# Altium PCB BMS.PcbDoc (part 2 of 2)
Units mil, origin at the board's own origin, x right, y up, seen from the top; angles counter-clockwise.
Board outline 3724.71 x 1020 mil, 4 copper layers (Component Side, Ground Plane, Power Plane, Solder Side), stack 60.8 mil thick; 248 components, 158 nets, 745 pads, 646 vias.
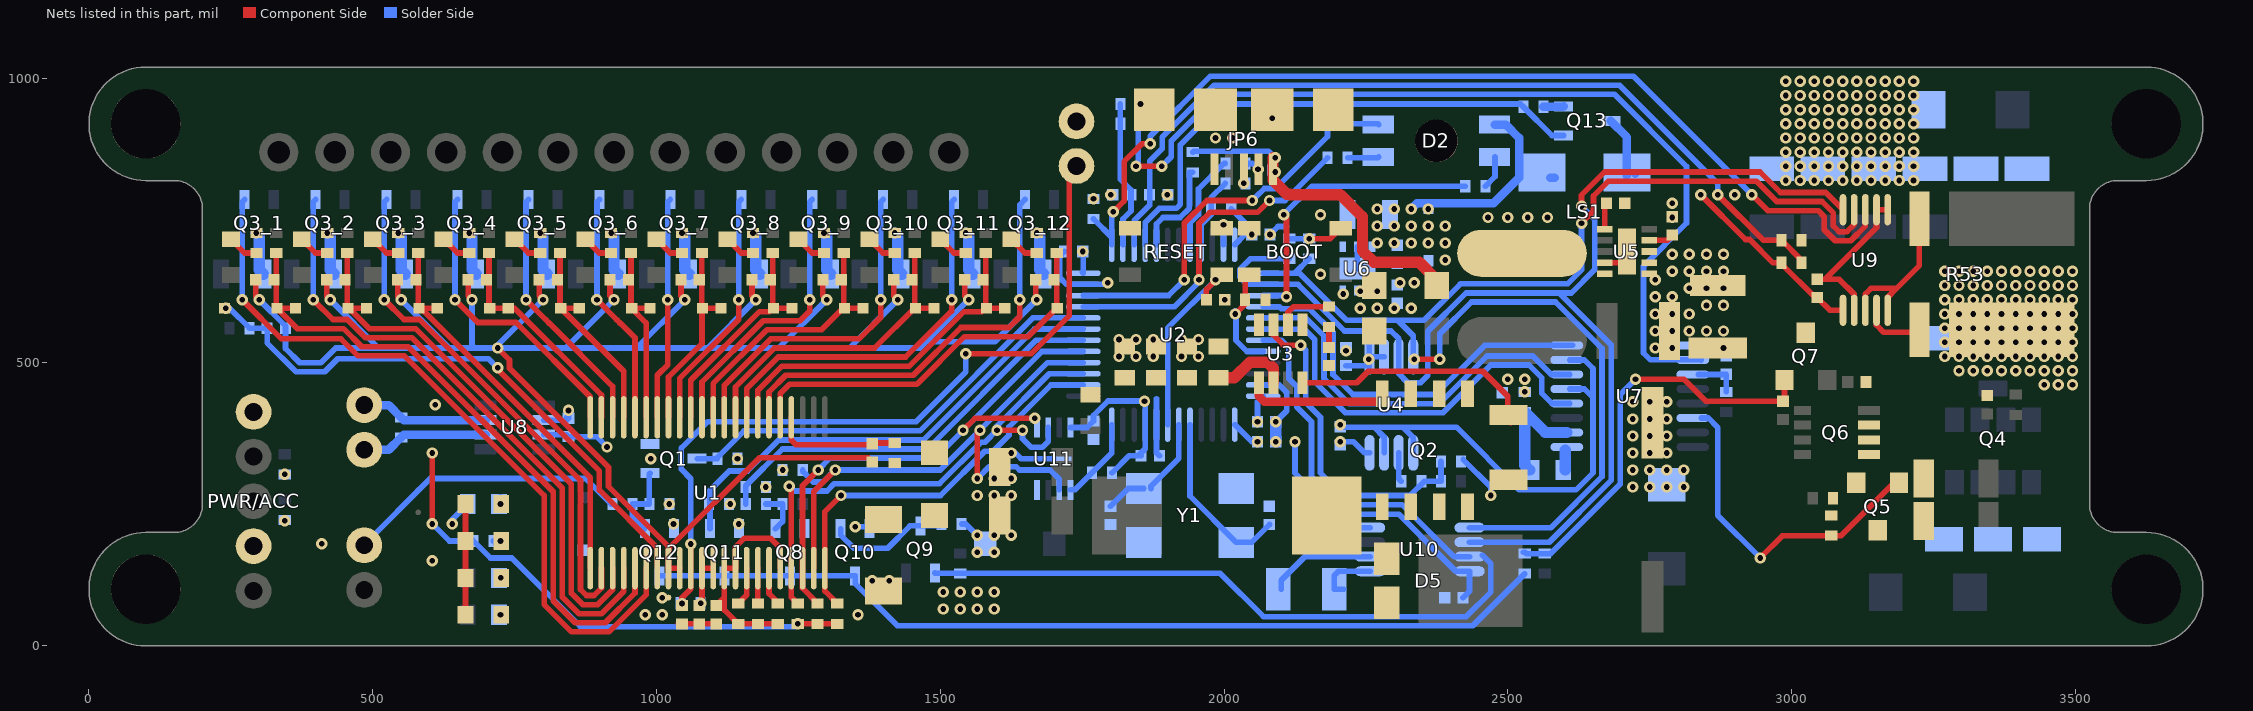
[diagram p4: the nets of this part, all layers, seen from the top]

## Via types
v1: diameter 20, hole 10, Component Side to Solder Side, 645 vias
v2: diameter 20, hole 10, Component Side to Solder Side, tented top, 1 vias

## Nets (pads, with @x,y where several pads share a name; then routed paths per layer and width w, separated by ;. In a path a pad name is that pad's centre, name@x,y a point inside that pad or via, vN(x,y) a via of type N, cw(c..) or ccw(c..) an arc to the next point about the centre after c; other vN are vias at no path point) (continued)
GND: *.1 C1.1 C3.1 C4.1 C6.1 C7.1 C8.1 C9.1 C10.1 C11.1 C12.1 C13.2 C14.1 C15.1 C16.1 C17.1 C18.1 C19.1 C20.1 C21.1 C22.2 C23.1 C24.1 C25.1 C26.1 C27.1 C28.1 C29.1 C31.1 C32.1 C33.1 C34.1 C35.2 C36.1 C40.1 C41.1 C42.2 D1.2 D2.0 D3.2 D4.C D6.2 D7.C D12.2 D13.C D14.2 D15.2 D16.2 D18.2 D19.C F1.2 F2.2 F3.2 F4.2 F5.2 F6.2 JP2.2 JP6.GND JP6.MT1 JP6.MT2 JP6.P$1 JP6.P$2 pad.0@100,100 pad.0@100,920 PWR/ACC.1 Q1.2 Q8.2 Q10.2 Q11.2 Q12.2 Q13.2 R19.2 R23.1 R24.1 R30.1 R31.1 R40.1 R44.1 R45.1 R47.1 R59.1 RESET.3 RESET.4 U2.8 U2.23 U2.35 U2.47 U3.1 U3.4 U4.8 U5.1 U5.9 U5.11 U6.2 U6.6 U6.7 U7.9 U8.2 U9.1 U9.2 U9.7 U10.4 U11.4 U11.9 Y1.2 Y1.2_1 | length 1563.4
  Component Side w10: D4.C@663.5,55 D19.C@663.5,120 D13.C@663.5,185 D7.C@663.5,250 ; C1.1@1038.91,38.86 C1.1@1045,38.86 C4.1@1075,38.86 C3.1@1105,38.86 ; v1@2215,516.14 2218.86,520 v1(2215,520) ; U5.9@2671.02,675.31 2705.31,675.31 2710,680 U5.11@2710,695 ; C33.1@3045,646.14 3059.01,646.14 ; U9.7@3110.32,591.42 3110.32,619.69 3083.86,646.14 3059.01,646.14 ; U9.1@3169.37,768.58 U9.2@3149.69,768.58 3149.69,736.82 3059.01,646.14
  Solder Side w10: U8.2@801.18,397.8 841.65,397.8 C32.1@845,401.14 ; C32.1@841.65,402.8 C32.1@845,406.14 ; v1(1350,210) 1372.13,210 Q10.2@1375.59,206.54 ; R44.1@1537.72,215 1545,215 v1(1565,195) ; v1(1625,340) 1632.33,340 1642.33,330 U11.9@1700,330 ; C10.1@1718.86,695 1710.5,686.64 1710.5,648.76 1722.21,637.05 1797.05,637.05 1797.05,637.95 v1(1795,640) ; 1880.95,435.31 1880.95,433.75 1881,433.7 1881,390.05 U2.8@1880.95,390 1880.95,340.2 C11.1@1886.14,335 ; U2.35@1999.06,706.93 v1(1999.06,742.42) v1@1999.06,742.32 ; v1(2001.14,610) v1@2006,614.86 ; v1(2081.14,725) 2095.14,739 2110,739 ; v1(2091.14,395) 2110.45,414.31 2110.45,446.79 U2.47@2097.36,459.88 ; v1(2205,360) 2227.74,360 2247.39,340.35 U4.8@2256.61,340.35 ; C34.1@2210,211.14 2212.76,208.39 U10.4@2257.4,208.39 ; U6.7@2235,665 U6.2@2235,703.39 ; R30.1@2421.36,328.64 2470,280 v1(2470,265) ; U2.47@2097.36,459.88 U2.47@2068.94,459.88 U2.47@2097.36,459.88
  Solder Side w15: R59.1@2562.72,950 2597.87,950 Q13.2@2598.46,950.59
  Solder Side w20: v1(2091.14,360) v1(2091.14,395)
  other v1: 980,55 1010,55 1355,55 1505,65 1535,65 1565,65 1595,65 1010,85 1505,95 1535,95 1565,95 1595,95 605,150 1565,165 1595,165 410,180 1595,195 1625,195 1030,215 1145,215 1022.72,250 1129.68,250 1565,265 1595,265 1625,265 1192.72,280 2720,280 2750,280 2780,280 2810,280 1595,295 1625,295 2720,310 2750,310 2780,310 2810,310 990,330 2720,340 2750,340 2780,340 2720,370 2750,370 2780,370 2720,400 2750,400 2780,400 845,415 610,425 2720,430 2750,430 2780,430 2500,470 1815,510 1845,510 1875,510 1925,510 1955,510 2760,525 2790,525 2880,524.88 1815,540 1845,540 1875,540 1925,540 1955,540 2760,555 2790,555 2820,555 2850,555 2880,555 2760,585 2790,585 2820,585 2760,615 2790,615 2210,620 2310,640 2335,640 2760,645 2170,655 2390,680 2390,710 2390,740 2465,755 2500,755 2535,755 2570,755 2790,755 2170,760 2790,780 1800.31,795 1900,795 2900,795 2990,820 3015,820 3040,820 3065,820 3090,820 3115,820 3140,820 3165,820 3190,820 3215,820 2990,845 3015,845 3040,845 3065,845 3090,845 3115,845 3140,845 3165,845 3190,845 3215,845 2990,870 3015,870 3040,870 3065,870 3090,870 3115,870 3140,870 3165,870 3190,870 3215,870 1985,895 2015,895 2990,895 3015,895 3040,895 3065,895 3090,895 3115,895 3140,895 3165,895 3190,895 3215,895 2990,920 3015,920 3040,920 3065,920 3090,920 3115,920 3140,920 3165,920 3190,920 3215,920 2085,930 2990,945 3015,945 3040,945 3065,945 3090,945 3115,945 3140,945 3165,945 3190,945 3215,945 1852.72,955 2990,970 3015,970 3040,970 3065,970 3090,970 3115,970 3140,970 3165,970 3190,970 3215,970 2990,995 3015,995 3040,995 3065,995 3090,995 3115,995 3140,995 3165,995 3190,995 3215,995
I2C.SCL: R16.1 U2.38 U4.3 U9.5 U10.6 | length 2284.5
  Component Side w10: v1(2630,775) 2630,794.4 2670.6,835 2944.44,835 2980.44,799 3060.21,799 U9.5@3090.63,768.58
  Solder Side w10: R16.1@2115,682.28 2046.38,682.28 2027.43,663.33 2027.43,650.14 2040.52,637.05 2130.33,637.05 2212.37,555 2294.25,555 2307.8,541.46 2307.8,479.76 2323.8,463.76 2346.33,463.76 2359,476.43 2359,554.43 2426.57,622 2590.75,622 ; U10.6@2432.6,182.8 2573.05,182.8 2682,291.75 2682,530.75 2590.75,622 ; v1(2630,775) 2653.31,751.69 2653.31,663.31 2612,622 2590.75,622
I2C.SDA: R15.1 U2.37 U4.4 U9.4 U10.5 | length 2363.3
  Component Side w10: v1(2335,505) v1(2380,505) ; v1(2630,745) 2651,766 2651,792.78 2677.22,819 2937.82,819 2973.82,783 3053.59,783 3073.72,762.86 3073.72,739.93 3083.63,730.02 3097.63,730.02 3110.32,742.71 U9.4@3110.32,768.58
  Solder Side w10: U2.37@2068.94,656.73 2125.59,656.73 ; R15.1@2150,682.28 2150,682.04 2125.59,657.64 2125.59,656.73 ; U4.4@2333.39,509.65 2333.39,546.61 2306.18,573.82 ; v1(2380,505) 2380,550 2436,606 2584.12,606 2666,524.12 2666,298.37 2576.01,208.39 U10.5@2432.6,208.39 ; v1(2630,745) 2630,662.63 2605.37,638 2416.55,638 2352.37,573.82 2306.18,573.82 ; 2125.59,656.73 2133.27,656.73 2216,574 2226.51,574 2226.69,573.82 2306.18,573.82
LED_B: R21.1 U2.39 | length 535.1
  Component Side w10: v1(2105,760) 2110,755 v1(2110,615)
  Solder Side w10: U2.39@2068.94,617.36 2112.64,617.36 2110.28,615 v1(2110,615) ; v1(2105,760) 2155,810 R21.1@2425,810
LED_G: R20.1 U2.21 | length 599.4
  Component Side w10: v1(1956,645) 1956,744.67 1975.33,764 2059,764 v1(2080,785)
  Solder Side w10: U2.21@1752.31,597.68 1912.68,597.68 1956,641 v1(1956,645) ; v1(2080,785) 2107.28,785 R20.1@2182.28,860
LED_R: R26.1 U2.22 | length 618.4
  Component Side w10: v1(1930,645) 1930,745 1970,785 v1(2050,785)
  Solder Side w10: U2.22@1752.01,617.36 1902.36,617.36 v1(1930,645) ; v1@2056.35,791.35 2071,806 2090.7,806 2182.28,897.59 R26.1@2182.28,920
NetBOOT_2: BOOT.2 R19.1 U2.44 | length 187.1
  Component Side w10: v1(2020,585) 2037.28,602.28 R19.1@2037.28,610 2037.28,646.65 BOOT.2@2044.29,653.66
  Solder Side w10: v1@2020,590.43 v1(2020,585) 2021,584 2021,538.45 2040.52,518.94 U2.44@2068.94,518.94
NetC1_2: C1.2 JP2.1 R4.1 U1.32 | length 1357.6
  Component Side w10: v1(1045,74.68) 1045,84.85 1060.47,100.31 v1(1060.47,179.51) v1@1060.96,180 ; C1.2@1050.47,73.6 C1.2@1050.47,75 ; v1(1545,515) 1660.52,515 1727.1,581.59 1727.1,832.73 JP2.1@1740,845.63
  Solder Side w10: v1(1060.47,179.51) 1060.47,294.53 1043.8,311.2 1043.8,348.8 1090,395 1457.42,395 1545,482.58 v1(1545,515)
NetC2_2: C2.2 R5.1 U1.4 | length 228.2
  Component Side w10: U1.4@1237.64,402.87 1237.64,362.36 1245.53,354.47 1380,354.47 1380,355.75 1381.97,357.72 R5.1@1420,357.72
NetC3_2: C3.2 R6.2 R7.2 R9.2 U1.35 U1.36 U1.40 | length 393
  Component Side w10: C3.2@1111.73,71.14 C3.2@1105,71.14 1119.53,85.67 ; R7.2@1140.99,39.01 R6.2@1213.88,39.01 ; R7.2@1143.86,39.01 1119.53,63.34 1119.53,85.67 ; U1.40@1217.95,137.13 1217.95,172.44 1200.39,190 1155,190 1139.21,174.21 U1.36@1139.21,137.13 U1.35@1119.53,137.13 1119.53,85.67
NetC4_2: C4.2 R4.2 U1.33 U1.34 | length 91.6
  Component Side w10: C4.2@1073.6,71.72 C4.2@1079.84,77.97 ; v1(1077.72,75) 1080.16,77.44 U1.33@1080.16,137.13 U1.34@1099.84,137.13
NetC5_2: C5.2 D8_1.2 R10.1 U1.29 | length 1026.2
  Component Side w10: v1(720,490) 720,487.63 899.31,308.32 899.31,274.55 1001.42,172.44 U1.29@1001.42,137.13
  Solder Side w10: v1(241.1,595) 247.72,595 R10.1@282.72,560 C5.2@313.86,560 313.86,533.82 364.67,483 415.37,483 438.37,506 704,506 v1(720,490)
NetC7_2: C7.2 U2.5 Y1.1 | length 312.7
  Solder Side w10: U2.5@1940,390 1940,264 Y1.1@2021.5,182.5 2048.64,182.5 C7.2@2080,213.86
NetC8_2: C8.2 U2.6 Y1.3 | length 204.3
  Solder Side w10: C8.2@1800,246.14 1831.36,277.5 Y1.3@1858.5,277.5 ; Y1.3@1871.36,277.5 1871.36,281.36 1920.32,330.32 U2.6@1920.32,390
NetC13_1: C13.1 RESET.1 U2.7 | length 331.6
  Component Side w10: C13.1@1968.86,610 1968.86,628.16 1985,644.3 v1(1985,645)
  Solder Side w10: U2.7@1900.63,390 1900.63,559.93 1985,644.3 v1(1985,645)
NetC14_2: C14.2 R22.2 R23.2 U2.26 | length 261.8
  Solder Side w10: R23.2@1817.28,955 R22.2@1817.28,920 1817.28,822.21 1836.14,803.35 C14.2@1836.14,795 1836.14,766.44 1821.89,752.19 U2.26@1821.89,706.93
NetC15_2: C15.2 R24.2 R25.1 U2.27 | length 1518.7
  Component Side w10: v1(2870,795) 2950,715 R24.2@2982.28,715 3017.72,679.57 R25.1@3017.72,675
  Solder Side w10: U2.27@1841.58,706.93 1841.58,749.25 1869,776.67 1869,854.3 1891,876.3 1891,896.5 1982.5,988 2697,988 2870,815 v1(2870,795)
NetC16_2: C16.2 C17.2 C18.2 C19.2 R29.1 U3.6 | length 142
  Component Side w20: C16.2@1987.56,470 C16.2@1990,472.44 2018.07,472.44 2045.63,500 2076.6,500 2087.2,489.4 U3.6@2087.2,463.82
NetC23_1_2: C23_1.2 D8_1.1 D8_2.2 R34_1.1 U1.27 | length 1171.6
  Component Side w10: D8_1.1@328.9,595 330,596.1 R34_1.1@330,692.28 ; D8_1.1@329.39,595 D8_1.1@330.65,595 ; D8_1.1@330.02,595.63 D8_1.1@330.65,595 ; D8_2.2@363.74,595 D8_1.1@331.26,595 ; U1.27@962.05,137.13 962.05,92.99 909.78,40.72 856.83,40.72 817.93,79.62 817.93,271.56 562.35,527.14 480.52,527.14 448.52,559.14 367.12,559.14 D8_1.1@331.26,595 ; D8_1.1@330.65,595 D8_1.1@331.26,595
NetC23_2: C23.2 R28.2 | length 36.1
  Component Side w10: C23.2@2185,526.14 R28.2@2185,562.28
NetC23_2_2: C23_2.2 D8_2.1 D8_3.2 R34_2.1 U1.25 | length 978.7
  Component Side w10: D8_2.1@453.9,595 455,596.1 R34_2.1@455,692.28 ; D8_2.1@454.39,595 D8_2.1@457.91,595 ; D8_2.1@456.26,595 D8_2.1@457.91,595 ; D8_3.2@491.1,595 489.22,595 D8_2.1@457.91,595 ; U1.25@922.68,137.13 922.68,98.87 896.53,72.72 870.09,72.72 849.93,92.88 849.93,284.81 575.6,559.14 493.77,559.14 D8_2.1@457.91,595
NetC23_3_2: C23_3.2 D8_3.1 D8_4.2 R34_3.1 U1.23 | length 720.7
  Component Side w10: D8_3.1@578.9,595 580,596.1 580,640 575,645 580,650 R34_3.1@580,692.28 ; D8_3.1@579.39,595 D8_3.1@580.02,595 ; D8_3.1@580.02,595.63 D8_3.1@580.02,595 ; D8_4.2@616.1,595 D8_4.2@613.74,595 D8_3.1@585,595 ; U1.23@883.31,137.13 883.31,296.69 D8_3.1@585,595 ; D8_3.1@580.02,595 D8_3.1@581.26,595 D8_3.1@585,595
NetC23_4_2: C23_4.2 D8_4.1 D8_5.2 R34_4.1 U1.21 | length 403.9
  Component Side w10: D8_4.1@703.9,595 705,596.1 705,640 700,645 705,650 R34_4.1@705,692.28 ; D8_4.1@704.39,595 D8_4.1@705.65,595 ; D8_4.1@705.02,595.63 D8_4.1@705.65,595 ; U1.21@902.99,402.87 902.99,442.01 750,595 D8_5.2@738.74,595 D8_4.1@706.26,595 D8_4.1@705.65,595
NetC23_5_2: C23_5.2 D8_5.1 D8_6.2 R34_5.1 U1.19 | length 373.5
  Component Side w10: D8_5.1@828.9,595 830,596.1 R34_5.1@830,692.28 ; D8_5.1@829.39,595 D8_5.1@830.02,595 ; D8_5.1@830.02,595.94 D8_5.1@830.02,595 ; D8_6.2@866.1,595 D8_5.1@831.26,595 ; U1.19@942.36,402.87 942.36,483.9 D8_5.1@831.26,595 ; D8_5.1@830.02,595 D8_5.1@831.26,595
NetC23_6_2: C23_6.2 D8_6.1 D8_7.2 R34_6.1 U1.17 | length 345.3
  Component Side w10: D8_6.1@953.9,595 955,596.1 R34_6.1@955,692.28 ; D8_6.1@954.39,595 D8_6.1@955.02,595 ; D8_6.1@956.26,595 D8_7.2@988.74,595 ; U1.17@981.73,402.87 981.73,568.92 D8_6.1@955.65,595 ; D8_7.2@981.73,595 D8_7.2@991.1,595 ; D8_6.1@955.02,595 955.02,595.63 D8_6.1@955.65,595 ; D8_6.1@955.02,595 D8_6.1@955.65,595
NetC23_7_2: C23_7.2 D8_7.1 D8_8.2 R34_7.1 U1.15 | length 356.1
  Component Side w10: U1.15@1021.1,402.87 1021.1,473.98 1080.02,532.91 D8_7.1@1080.02,595 ; D8_7.1@1078.9,595 1080,596.1 1080,640 1075,645 1080,650 R34_7.1@1080,692.28 ; D8_7.1@1079.39,595 D8_7.1@1080.02,595 ; D8_7.1@1080.02,595.94 D8_7.1@1080.02,595 ; D8_8.2@1116.1,595 D8_8.2@1113.74,595 D8_7.1@1081.26,595 D8_7.1@1080.02,595
NetC23_8_2: C23_8.2 D8_8.1 D8_9.2 R34_8.1 U1.13 | length 401.2
  Component Side w10: U1.13@1060.47,402.87 1060.47,468.1 1181.37,589 1198.39,589 D8_8.1@1205.02,595.63 ; D8_8.1@1203.9,595 1205,596.1 1205,640 1200,645 1205,650 R34_8.1@1205,692.28 ; D8_8.1@1204.39,595 D8_8.1@1206.26,595 D8_9.2@1238.74,595 D8_9.2@1241.1,595
NetC23_9_2: C23_9.2 D8_9.1 D8_10.2 R34_9.1 U1.11 | length 482.5
  Component Side w10: U1.11@1099.84,402.87 1099.84,462.21 1194.63,557 1290.9,557 D8_9.1@1328.9,595 ; R34_9.1@1330,692.28 1330,650 1325,645 1330,640 1330,596.1 D8_9.1@1328.9,595 ; D8_10.2@1366.1,595 D8_10.2@1363.74,595 D8_9.1@1331.26,595 D8_9.1@1328.9,595
NetC23_10_2: C23_10.2 D8_10.1 D8_11.2 R34_10.1 U1.9 | length 561.4
  Component Side w10: U1.9@1139.21,402.87 1139.21,456.33 1207.88,525 1384.39,525 D8_10.1@1455.02,595.63 ; D8_10.1@1453.9,595 1455,596.1 R34_10.1@1455,692.28 ; D8_10.1@1454.39,595 D8_11.2@1491.1,595
NetC23_11_2: C23_11.2 D8_11.1 D8_12.2 R34_11.1 U1.7 | length 643.6
  Component Side w10: U1.7@1178.58,402.87 1178.58,450.45 1221.14,493 1445.63,493 1541.63,589 1572.9,589 D8_11.1@1578.9,595 ; D8_11.1@1580.02,595.63 D8_11.1@1579.39,595 ; R34_11.1@1580,692.28 1580,596.1 D8_11.1@1578.9,595 ; D8_12.2@1616.1,595 D8_11.1@1579.39,595 ; D8_11.1@1578.9,595 D8_11.1@1579.39,595
NetC23_12_2: C23_12.2 D8_12.1 R34_12.1 U1.5 | length 700.5
  Component Side w10: U1.5@1217.95,402.87 1217.95,444.56 1234.39,461 1458.88,461 1542.88,545 1655,545 1705.02,595.02 D8_12.1@1705.02,595.63 ; C23_12.2@1700.39,645 1705,649.61 C23_12.2@1705,650 ; D8_12.1@1703.9,595 1705,596.1 1705,640 1700,645 C23_12.2@1705,650 ; R34_12.1@1705,692.28 C23_12.2@1705,650
NetC25_2: C25.2 U5.6 | length 46.8
  Component Side w10: U5.6@2671.02,734.37 2671.02,777.17 C25.2@2673.86,780
NetC26_2: C26.2 U5.4 | length 44.8
  Component Side w10: U5.4@2748.98,714.69 2780.83,714.69 C26.2@2790,723.86
NetC28_2: C28.2 D10.1 D11.1 U6.4 U6.5
  other v1: 2240,595 2270,595 2300,595 2330,595 2240,625 2270,625
NetC30_1: C30.1 C31.2 R50.2 U7.2 | length 232.9
  Solder Side w10: C31.2@2491.97,412.28 R50.2@2530,412.28
  Solder Side w20: C30.1@2538.5,310 2530,318.5 R50.2@2530,412.28 2566.26,376.02 U7.2@2604,376.02
NetC30_2: C30.2 U7.1 | length 35
  Solder Side w20: C30.2@2601.5,310 U7.1@2601.5,345
NetC36_2: C36.2 R51.1 U7.11 | length 79.7
  Solder Side w10: U7.11@2836,478.39 2885,478.39 R51.1@2885,447.72
NetC37_1: C37.1 Q7.1 R48.1 R49.2 | length 740
  Component Side w10: v1(2725,470) 2810.3,470 2849.16,431.14 C37.1@2985,431.14 2987.6,433.74 Q7.1@2987.6,468.63 Q7.1@2985,466.03 ; Q7.1@2990,466.03 Q7.1@2992.6,468.63
  Solder Side w10: R49.2@2527.72,165 2530,165 2532.28,162.72 R48.1@2565,162.72 2575.6,162.72 2698,285.12 2698,443 v1(2725,470)
NetD1_1: D1.1 L1.2 R5.2
NetD2_1: D2.1 R26.2 | length 55.5
  Solder Side w10: R26.2@2217.72,920 2271.18,920 D2.1@2272.64,918.54
NetD2_3: D2.3 R21.2 | length 58.5
  Solder Side w10: R21.2@2460.43,810 2477.36,826.93 D2.3@2477.36,861.46
NetD2_4: D2.4 R20.2 | length 55.5
  Solder Side w10: R20.2@2217.72,860 2271.18,860 D2.4@2272.64,861.46
NetD4_A: D4.A R27.1
  other v1: 725,55
NetD5_2: D5.2 D5.2_1 L2.2 Q2.3
NetD7_A: D7.A R57.1 | length 13.8
  Solder Side w10: v1(725,250) 725,259.57 726.5,261.06 R57.1@725,262.56
NetD9_1_A: D9_1.A R36_1.1 | length 55
  Component Side w10: D9_1.A@250,716.5 274.21,692.28 R36_1.1@295,692.28
NetD9_2_A: D9_2.A R36_2.1 | length 55
  Component Side w10: D9_2.A@375,716.5 399.21,692.28 R36_2.1@420,692.28
NetD9_3_A: D9_3.A R36_3.1 | length 55
  Component Side w10: D9_3.A@500,716.5 524.21,692.28 R36_3.1@545,692.28
NetD9_4_A: D9_4.A R36_4.1 | length 55
  Component Side w10: D9_4.A@625,716.5 649.21,692.28 R36_4.1@670,692.28
NetD9_5_A: D9_5.A R36_5.1 | length 55
  Component Side w10: D9_5.A@750,716.5 774.21,692.28 R36_5.1@795,692.28
NetD9_6_A: D9_6.A R36_6.1 | length 55
  Component Side w10: D9_6.A@875,716.5 899.21,692.28 R36_6.1@920,692.28
NetD9_7_A: D9_7.A R36_7.1 | length 55
  Component Side w10: D9_7.A@1000,716.5 1024.21,692.28 R36_7.1@1045,692.28
NetD9_8_A: D9_8.A R36_8.1 | length 55
  Component Side w10: D9_8.A@1125,716.5 1149.21,692.28 R36_8.1@1170,692.28
NetD9_9_A: D9_9.A R36_9.1 | length 55
  Component Side w10: D9_9.A@1250,716.5 1274.21,692.28 R36_9.1@1295,692.28
NetD9_10_A: D9_10.A R36_10.1 | length 55
  Component Side w10: D9_10.A@1375,716.5 1399.21,692.28 R36_10.1@1420,692.28
NetD9_11_A: D9_11.A R36_11.1 | length 55
  Component Side w10: D9_11.A@1500,716.5 1524.21,692.28 R36_11.1@1545,692.28
NetD9_12_A: D9_12.A R36_12.1 | length 55
  Component Side w10: D9_12.A@1625,716.5 1649.21,692.28 R36_12.1@1670,692.28
NetD13_A: D13.A R37.1 | length 16.4
  Solder Side w10: R37.1@712.72,185 717.72,180 722.72,185 v1(725,185)
NetD19_A: D19.A R60.1
  other v1: 725.51,120
NetJP3_1: JP3.1 R58.2 U8.7 | length 224.8
  Solder Side w15: JP3.1@485,424.37 528.35,424.37 R58.2@550,402.72 554.92,397.8 U8.7@698.82,397.8
NetJP3_2: JP3.2 R58.1 U8.6 | length 224.8
  Solder Side w15: JP3.2@485,345.63 528.35,345.63 R58.1@550,367.28 554.92,372.2 U8.6@698.82,372.2
NetJP4_1: R46.2 SWITCH.1 | length 505
  Solder Side w10: SWITCH.1@484.41,177.96 601.44,295 875,295 920,250 R46.2@922.28,250
NetL3_1: L3.1 U5.10
NetL4_1: L4.1 U6.1
NetLS1_2: LS1.2 Q13.3 | length 107.8
  Solder Side w15: Q13.3@2681.54,925 2709.8,896.73 LS1.2@2709.8,828.9
NetQ1_1: Q1.1 Q12.1 R46.1 R47.2 | length 136.9
  Solder Side w10: Q12.1@979.41,206.54 957.72,228.23 R46.1@957.72,250 R47.2@987.28,250 987.28,303.23 Q1.1@988.46,304.41
NetQ2_1: Q2.1 R31.2 U3.8 | length 437.1
  Component Side w10: U3.8@2138.39,463.82 2233.82,463.82 2254,484 2456,484 2500,440 2500,398.15 R31.2@2505,393.15
NetQ2_2: Q2.2 U3.5 | length 252.7
  Component Side w10: Q2.2@2275,433.13 Q2.2@2275,444.51
  Component Side w15: U3.5@2061.61,463.82 2061.61,439.64 2070.62,430.63 Q2.2@2275,430.63
NetQ3_1_1: Q3_1.1 U1.28 | length 1319.1
  Component Side w10: v1(270,610) 339,541 444.03,541 473.89,511.14 555.72,511.14 801.93,264.93 801.93,73 850.2,24.72 916.41,24.72 981.73,90.04 U1.28@981.73,137.13
  Solder Side w10: v1(270,610) 270,782.13 Q3_1.1@274.41,786.54
NetQ3_1_3: Q3_1.3 R35_1.2 R36_1.2 | length 77.9
  Solder Side w20: v1(295,727.72) 300,722.72 Q3_1.3@300,703.46 300,662.4 R35_1.2@307.4,655
NetQ3_2_1: Q3_2.1 U1.26 | length 1124.8
  Component Side w10: v1(395,610) 429.86,575.14 455.14,575.14 487.14,543.14 568.98,543.14 833.93,278.19 833.93,86.25 863.46,56.72 903.16,56.72 942.36,95.93 U1.26@942.36,137.13
  Solder Side w10: v1(395,610) 395,782.13 Q3_2.1@399.41,786.54
NetQ3_2_3: Q3_2.3 R35_2.2 R36_2.2 | length 77.9
  Solder Side w20: v1(420,727.72) 425,722.72 Q3_2.3@425,703.46 425,662.4 R35_2.2@432.4,655
NetQ3_3_1: Q3_3.1 U1.24 | length 930.4
  Component Side w10: v1(520,610) 520.3,610 555.16,575.14 582.23,575.14 865.93,291.44 865.93,99.51 876.71,88.72 889.9,88.72 902.99,101.81 U1.24@902.99,137.13
  Solder Side w10: v1(520,610) 520,782.13 Q3_3.1@524.41,786.54
NetQ3_3_3: Q3_3.3 R35_3.2 R36_3.2 | length 77.9
  Solder Side w20: v1(545,727.72) 550,722.72 Q3_3.3@550,703.46 550,662.4 R35_3.2@557.4,655
NetQ3_4_1: Q3_4.1 U1.22 | length 523.7
  Component Side w10: v1(645,610) 685,570 752.37,570 883.31,439.06 U1.22@883.31,402.87
  Solder Side w10: v1(645,610) 645,782.13 Q3_4.1@649.41,786.54
NetQ3_4_3: Q3_4.3 R35_4.2 R36_4.2 | length 77.9
  Solder Side w20: v1(670,727.72) 675,722.72 Q3_4.3@675,703.46 675,662.4 R35_4.2@682.4,655
NetQ3_5_1: Q3_5.1 U1.20 | length 449
  Component Side w10: v1(770,610) 805.5,574.5 805.5,574.11 811.94,567.66 812.34,567.66 922.68,457.32 U1.20@922.68,402.87
  Solder Side w10: v1(770,610) 770,782.13 Q3_5.1@774.41,786.54
NetQ3_5_3: Q3_5.3 R35_5.2 R36_5.2 | length 77.9
  Solder Side w20: v1(795,727.72) 800,722.72 Q3_5.3@800,703.46 800,662.4 R35_5.2@807.4,655
NetQ3_6_1: Q3_6.1 U1.18 | length 413.5
  Component Side w10: v1(895,610) 930.5,574.5 930.5,574.1 936.94,567.66 937.34,567.66 962.05,542.95 U1.18@962.05,402.87
  Solder Side w10: v1(895,610) 895,782.13 Q3_6.1@899.41,786.54
NetQ3_6_3: Q3_6.3 R35_6.2 R36_6.2 | length 77.9
  Solder Side w20: v1(920,727.72) 925,722.72 Q3_6.3@925,703.46 925,662.4 R35_6.2@932.4,655
NetQ3_7_1: Q3_7.1 U1.16 | length 393.2
  Component Side w10: U1.16@1001.42,402.87 1001.42,476.93 1020,495.51 v1(1020,610)
  Solder Side w10: v1(1020,610) 1020,782.13 Q3_7.1@1024.41,786.54
NetQ3_7_3: Q3_7.3 R35_7.2 R36_7.2 | length 77.9
  Solder Side w20: v1(1045,727.72) 1050,722.72 Q3_7.3@1050,703.46 1050,662.4 R35_7.2@1057.4,655
NetQ3_8_1: Q3_8.1 U1.14 | length 428.7
  Component Side w10: U1.14@1040.79,402.87 1040.79,471.04 1145,575.26 v1(1145,610)
  Solder Side w10: v1(1145,610) 1145,782.13 Q3_8.1@1149.41,786.54
NetQ3_8_3: Q3_8.3 R35_8.2 R36_8.2 | length 77.9
  Solder Side w20: v1(1170,727.72) 1175,722.72 Q3_8.3@1175,703.46 1175,662.4 R35_8.2@1182.4,655
NetQ3_9_1: Q3_9.1 U1.12 | length 502.2
  Component Side w10: U1.12@1080.16,402.87 1080.16,465.16 1188,573 1253,573 1270,590 v1(1270,610)
  Solder Side w10: v1(1270,610) 1270,782.13 Q3_9.1@1274.41,786.54
NetQ3_9_3: Q3_9.3 R35_9.2 R36_9.2 | length 77.9
  Solder Side w20: v1(1295,727.72) 1300,722.72 Q3_9.3@1300,703.46 1300,662.4 R35_9.2@1307.4,655
NetQ3_10_1: Q3_10.1 U1.10 | length 590.8
  Component Side w10: U1.10@1119.53,402.87 1119.53,459.27 1201.25,541 1356.89,541 1395,579.11 v1(1395,610)
  Solder Side w10: v1(1395,610) 1395,782.13 Q3_10.1@1399.41,786.54
NetQ3_10_3: Q3_10.3 R35_10.2 R36_10.2 | length 77.9
  Solder Side w20: v1(1420,727.72) 1425,722.72 Q3_10.3@1425,703.46 1425,662.4 R35_10.2@1432.4,655
NetQ3_11_1: Q3_11.1 U1.8 | length 666.6
  Component Side w10: U1.8@1158.9,402.87 1158.9,453.39 1214.51,509 1439,509 1520,590 v1(1520,610)
  Solder Side w10: v1(1520,610) 1520,782.13 Q3_11.1@1524.41,786.54
NetQ3_11_3: Q3_11.3 R35_11.2 R36_11.2 | length 77.9
  Solder Side w20: v1(1545,727.72) 1550,722.72 Q3_11.3@1550,703.46 1550,662.4 R35_11.2@1557.4,655
NetQ3_12_1: Q3_12.1 U1.6 | length 751.7
  Component Side w10: U1.6@1198.27,402.87 1198.27,447.5 1227.76,477 1452.25,477 1536.25,561 1621,561 1640,580 v1(1640,610)